# Altium PCB MCH_MAIN.PCBDOC (part 9 of 14)
Units mil, origin at the board's own origin, x right, y up, seen from the top; angles counter-clockwise.
Board outline 7110.66 x 2894.12 mil, 6 copper layers (Top Layer, Power, MidLayer1, MidLayer4, GND, Bottom Layer), stack 61.549 mil thick; 630 components, 1085 nets, 3940 pads, 2676 vias.
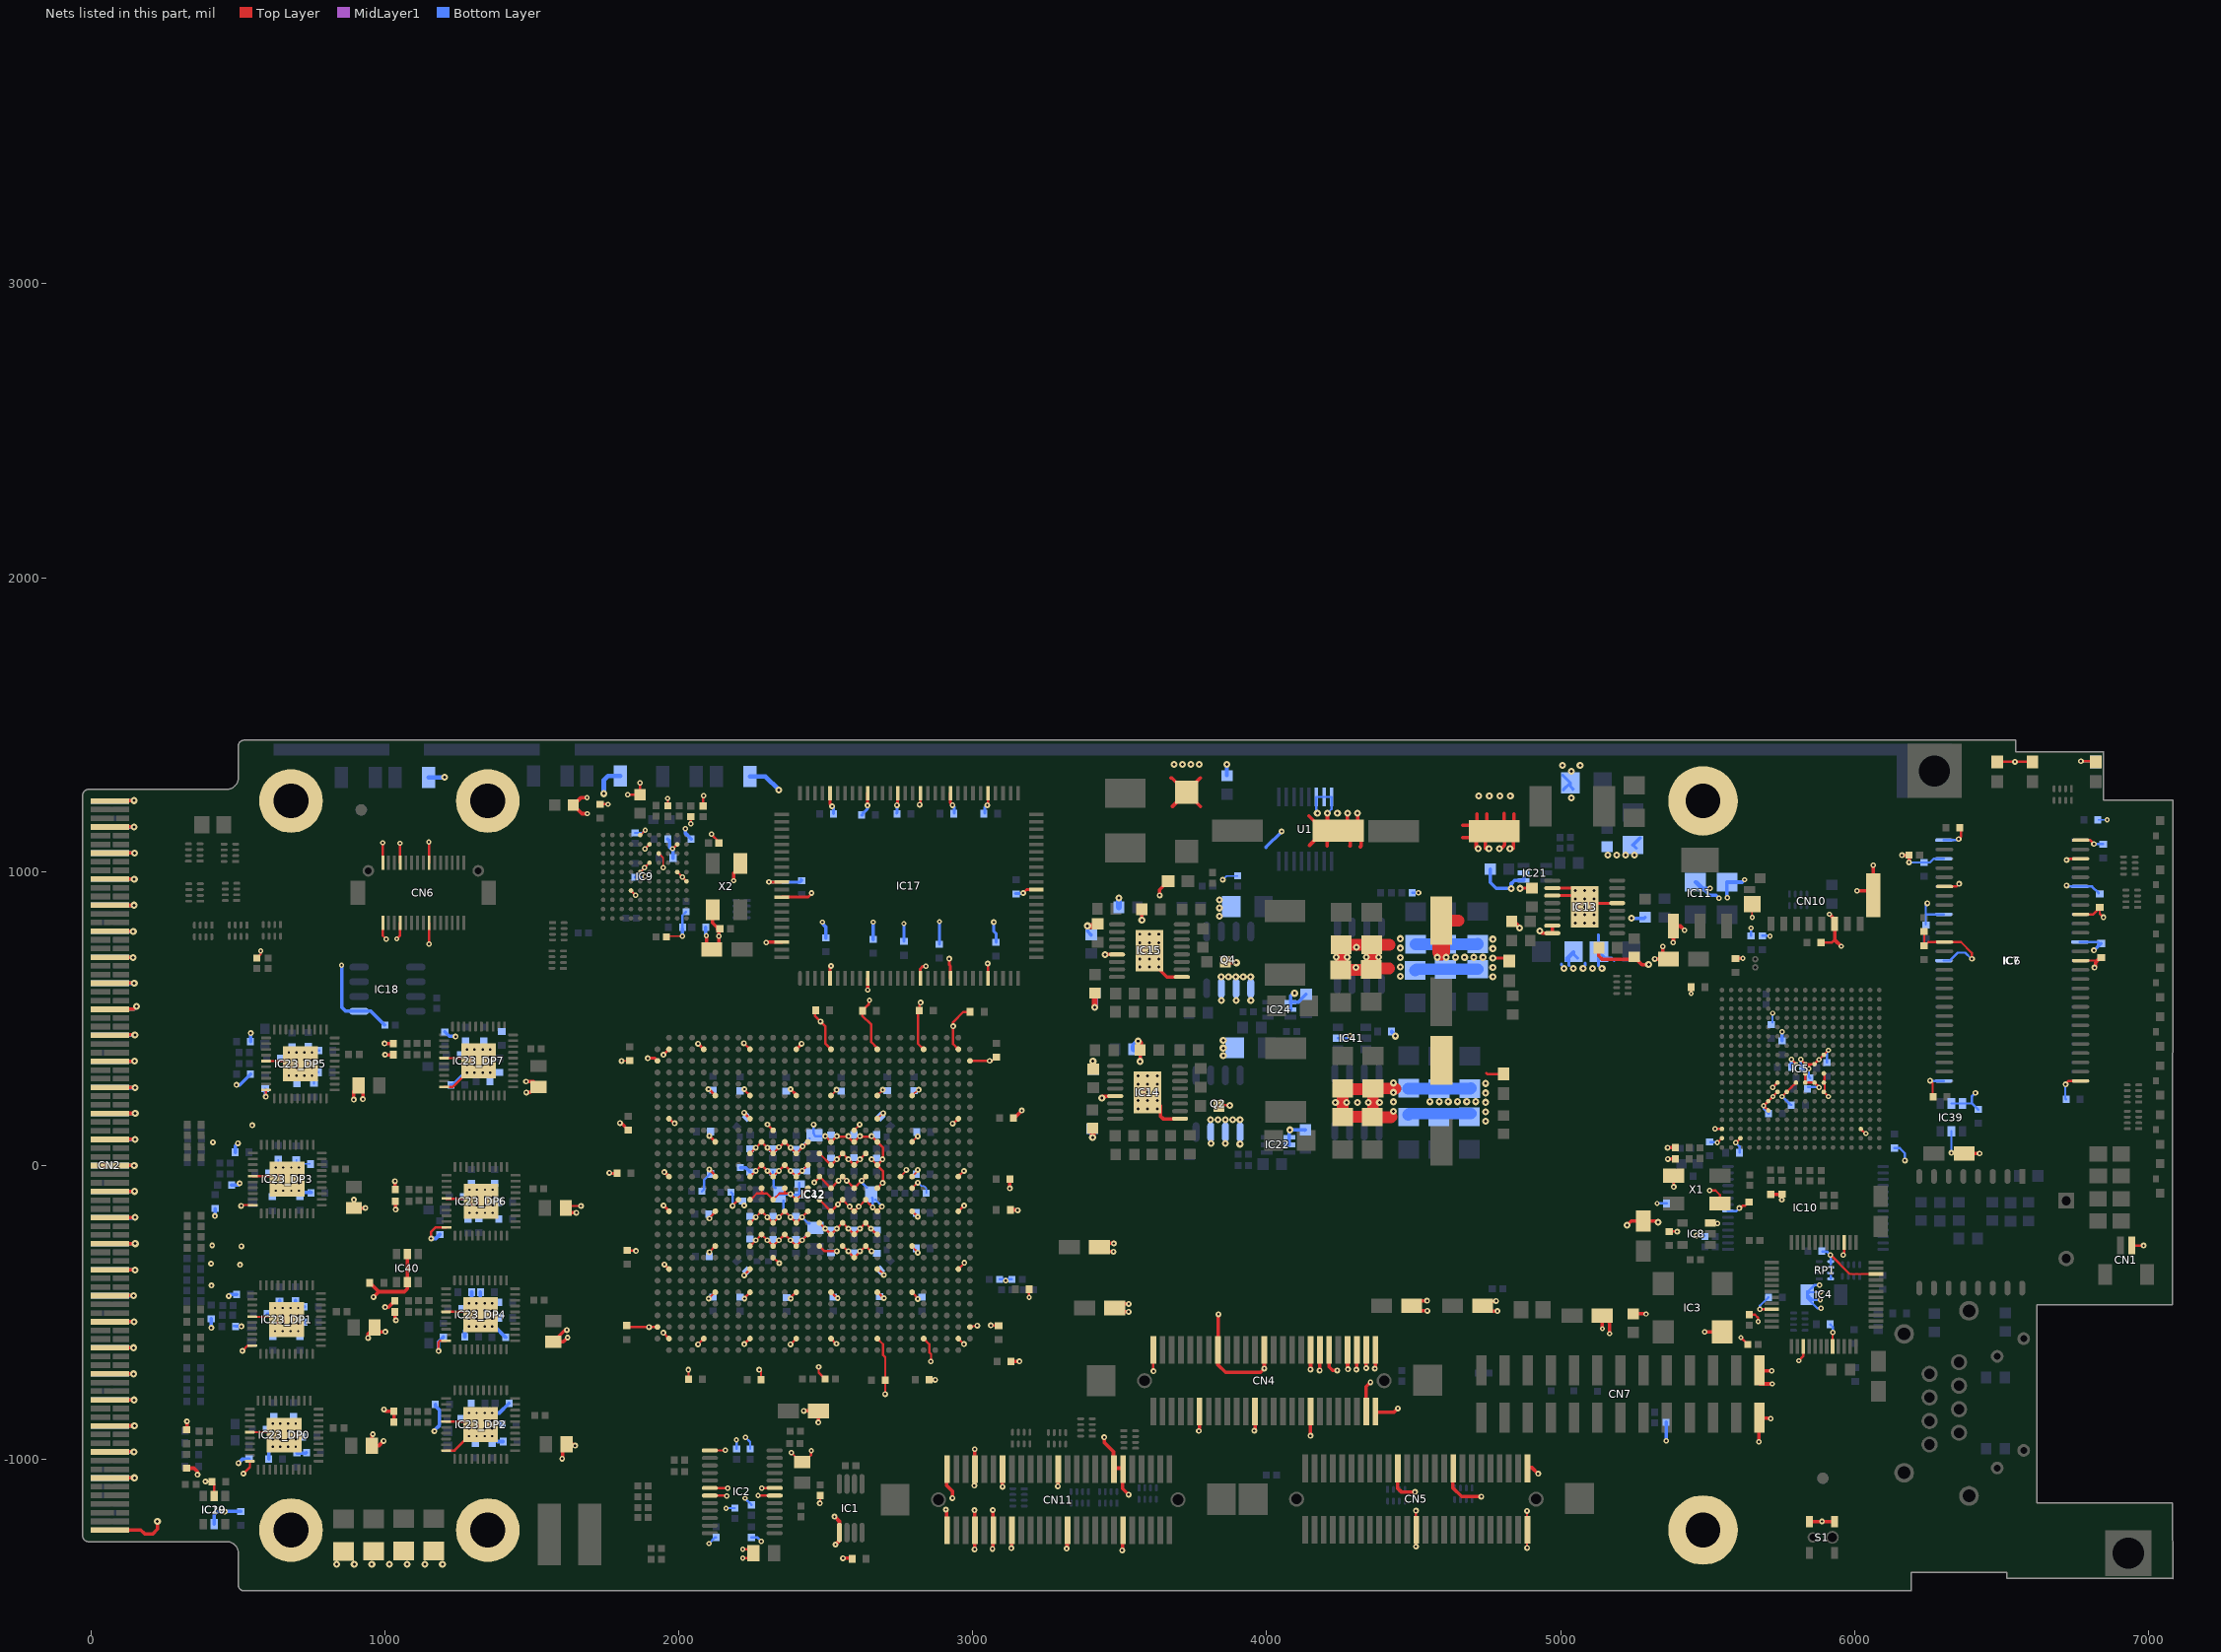
[diagram p13: the nets of this part, all layers, seen from the top]

## Via types
v1: diameter 20, hole 8, Top Layer to Bottom Layer, tented both sides, 1658 vias
v2: diameter 18, hole 8, Top Layer to Bottom Layer, tented both sides, 580 vias
v3: diameter 24, hole 10, Top Layer to Bottom Layer, tented both sides, 438 vias

## Nets (pads, with @x,y where several pads share a name; then routed paths per layer and width w, separated by ;. In a path a pad name is that pad's centre, name@x,y a point inside that pad or via, vN(x,y) a via of type N, cw(c..) or ccw(c..) an arc to the next point about the centre after c; other vN are vias at no path point) (continued)
GND: C1.2 C2.1 C3.2 C4.1 C5.1 C6.2 C7.1 C8.2 C9.1 C11.1 C13.1 C14.1 C15.1 C16.1 C17.1 C21.2 C23.1 C24.1 C26.1 C27.2 C30.1 C35.2 C38.2 C40.2 C41.2 C43.1 C44.1 C45.1 C46.1 C47.2 C48.2 C49.2 C50.1 C51.1 C52.1 C53.1 C54.1 C55.1 C56.1 C57.1 C58.1 C59.1 C60.1 C62.1 C66_DP0.1 C66_DP1.1 C66_DP2.1 C66_DP3.1 C66_DP4.1 C66_DP5.1 C66_DP6.1 C66_DP7.1 C67_DP0.1 C67_DP1.1 C67_DP2.1 C67_DP3.1 C67_DP4.1 C67_DP5.1 C67_DP6.1 C67_DP7.1 C68_DP0.1 C68_DP1.1 C68_DP2.1 C68_DP3.1 C68_DP4.1 C68_DP5.1 C68_DP6.1 C68_DP7.1 C70_DP0.1 C70_DP1.1 C70_DP2.1 C70_DP3.1 C70_DP4.1 C70_DP5.1 C70_DP6.1 C70_DP7.1 C71_DP0.1 C71_DP1.1 C71_DP2.1 C71_DP3.1 C71_DP4.1 C71_DP5.1 C71_DP6.1 C71_DP7.1 C74_DP0.1 C74_DP1.1 C74_DP2.1 C74_DP3.1 C74_DP4.1 C74_DP5.1 C74_DP6.1 C74_DP7.1 C75_DP0.1 C75_DP1.1 C75_DP2.1 C75_DP3.1 C75_DP4.1 C75_DP5.1 C75_DP6.1 C75_DP7.1 C76_DP0.1 C76_DP1.1 C76_DP2.1 C76_DP3.1 C76_DP4.1 C76_DP5.1 C76_DP6.1 C76_DP7.1 C77.1 C78.1 C79.2 C80.1 C81.2 C82.1 C83.2 C84.1 C85.1 C86.1 C87.2 C88.1 C89.1 C90.1 C91.2 C92.2 C93.1 C94.2 C95.2 C96.1 C97.1 C98.1 C99.1 C100.1 C101.1 C102.1 C103.1 C104.1 C105.1 C106.1 C107.1 C108.2 C109.2 C110.2 C111.2 C112.2 C113.2 C114.2 C115.1 C116.1 C117.2 C118.2 C119.2 C120.2 C121.2 C122.2 C123.2 C124.2 C125.2 C126.2 C127.2 C128.2 C129.2 C130.2 C131.2 C133.1 C134.2 C135.2 C136.1 C137.2 C138.2 C139.2 C141.2 C142.2 C143.2 C144.2 C145.2 C146.2 C147.2 C148.1 C149.1 C150.1 C151.1 C152.2 C153.2 C154.2 C155.2 C156.2 C157.2 C158.2 C159.1 C160.2 C161.2 C162.1 C163.2 C164.2 C165.2 C166.1 C167.1 C168.1 C169.1 C170.1 C171.1 C172.1 C173.1 C174.2 C175.2 C176.2 C177.2 C178.2 C179.2 C180.1 C181.1 C182.1 C183.1 C184.1 C185.1 C186.1 C187.1 C188.1 C189.1 C190.1 C191.1 C192.1 C194.1 C195.1 C196.2 C197.1 C198.2 C199.1 C200.2 C201.1 C202.1 C203.1 C204.1 C205.1 C206.1 C207.2 C208.2 C209.2 C210.2 C211.2 C212.1 C213.2 C214.2 C215.2 C216.1 C217.1 C218.2 C219.1 C220.1 C221.2 C222.2 C223.2 C224.2 C225.1 C226.1 C227.1 C228.1 C229.1 C230.1 C231.1 C232.1 C233.1 C234.1 C235.1 C236.1 C237.1 C238.1 C239.1 C240.1 C243.2 C244.2 C245.1 C246.1 C247.1 C248.1 C249.2 C250_DP0.1 C250_DP1.1 C250_DP2.1 C250_DP3.1 C250_DP4.1 C250_DP5.1 C250_DP6.1 C250_DP7.1 C251_DP0.1 C251_DP1.1 C251_DP2.1 C251_DP3.1 C251_DP4.1 C251_DP5.1 C251_DP6.1 C251_DP7.1 C252_DP0.1 C252_DP1.1 C252_DP2.1 C252_DP3.1 C252_DP4.1 C252_DP5.1 C252_DP6.1 C252_DP7.1 C253.1 C254.2 C255.1 C256.2 C257.1 C258.1 C259.1 C260.1 CN1.1 CN2.1 CN2.7 CN2.10 CN2.13 CN2.16 CN2.19 CN2.22 CN2.25 CN2.28 CN2.31 CN2.34 CN2.37 CN2.40 CN2.43 CN2.46 CN2.49 CN2.52 CN2.55 CN2.58 CN2.61 CN2.64 CN2.67 CN2.70 CN2.73 CN2.76 CN2.79 CN2.82 CN2.85 CN2.86 CN2.89 CN2.92 CN2.95 CN2.98 CN2.101 CN2.104 CN2.107 CN2.110 CN2.113 CN2.116 CN2.119 CN2.122 CN2.125 CN2.128 CN2.131 CN2.134 CN2.137 CN2.140 CN2.143 CN2.146 CN2.149 CN2.152 CN2.155 CN2.158 CN2.161 CN2.164 CN4.1 CN4.12 CN4.15 CN4.24 CN4.25 CN4.35 CN4.36 CN4.37 CN4.39 CN4.43 CN4.45 CN4.47 CN4.48 CN4.49 CN4.50 CN5.21 CN5.26 CN5.33 CN5.49 CN5.50 CN6.13 CN6.14 CN6.23 CN6.24 CN6.29 CN6.30 CN7.1 CN7.2 CN10.G1 CN10.G2 CN10.P6 CN11.1 CN11.2 CN11.7 CN11.8 CN11.12 CN11.13 CN11.16 CN11.25 CN11.28 CN11.37 CN11.39 CN11.40 D1.2 D2.2 D3.2 D4.2 D14.1 D15.2 D16.2 D17.A D18.1 D19.2 IC1.5 IC2.1 IC2.6 IC2.7 IC2.18 IC2.19 IC3.2 IC4.10 IC4.15 IC4.33 IC4.39 IC4.44 IC5.C16 IC5.G8 IC5.G10 IC5.G11 IC5.G12 IC5.H9 IC5.H11 IC5.J9 IC5.J10 IC5.J11 IC5.K9 IC5.K11 IC5.L12 IC5.M11 IC5.M12 IC5.N13 IC5.N14 IC5.T17 IC5.V16 IC5.V17 IC6.6 IC6.12 IC6.28 IC6.41 IC6.46 IC6.52 IC6.54 IC7.6 IC7.12 IC7.28 IC7.41 IC7.46 IC7.52 IC7.54 IC8.3 IC9.D4 IC9.E6 IC9.E10 IC9.F7 IC9.F9 IC9.G8 IC9.J6 IC9.J9 IC9.K5 IC10.7 IC11.1 IC12.AA2 IC12.AA9 IC12.AA20 IC12.AA27 IC12.AC6 IC12.AC9 IC12.AC13 IC12.AC16 IC12.AC20 IC12.AC23 IC12.AF1 IC12.AF28 IC12.AG2 IC12.AG5 IC12.AG9 IC12.AG13 IC12.AG16 IC12.AG20 IC12.AG24 IC12.AG27 IC12.B2 IC12.B5 IC12.B9 IC12.B13 IC12.B16 IC12.B20 IC12.B24 IC12.B27 IC12.C1 IC12.C28 IC12.F6 IC12.F9 IC12.F13 IC12.F16 IC12.F20 IC12.F23 IC12.H2 IC12.H9 IC12.H20 IC12.H27 IC12.J11 IC12.J18 IC12.K6 IC12.K10 IC12.K12 IC12.K14 IC12.K16 IC12.K18 IC12.K20 IC12.K23 IC12.L9 IC12.L11 IC12.L13 IC12.L15 IC12.L17 IC12.L19 IC12.M10 IC12.M12 IC12.M14 IC12.M16 IC12.M18 IC12.M20 IC12.N2 IC12.N6 IC12.N9 IC12.N11 IC12.N13 IC12.N15 IC12.N17 IC12.N19 IC12.N22 IC12.N23 IC12.N27 IC12.P10 IC12.P12 IC12.P14 IC12.P16 IC12.P18 IC12.P20 IC12.P23 IC12.R8 IC12.R9 IC12.R11 IC12.R13 IC12.R15 IC12.R17 IC12.R19 IC12.T2 IC12.T6 IC12.T10 IC12.T12 IC12.T14 IC12.T16 IC12.T18 IC12.T20 IC12.T23 IC12.T27 IC12.U9 IC12.U11 IC12.U13 IC12.U15 IC12.U17 IC12.U19 IC12.V10 IC12.V12 IC12.V14 IC12.V16 IC12.V18 IC12.V20 IC12.W6 IC12.W9 IC12.W11 IC12.W13 IC12.W15 IC12.W17 IC12.W19 IC12.W23 IC12.Y11 IC12.Y18 IC13.5 IC13.10 IC13.11 IC13.15 IC13.16 IC13.PAD IC14.5 IC14.9 IC14.PAD IC15.5 IC15.9 IC15.PAD IC17.5 IC17.10 IC17.17 IC17.21 IC17.26 IC17.40 IC17.55 IC17.60 IC17.64 IC17.67 IC17.71 IC17.76 IC17.90 IC17.92 IC17.98 IC18.5 IC19.2 IC20.2 IC21.1 IC21.2 IC22.1 IC22.2 IC23_DP0.35 IC23_DP0.40 IC23_DP0.PAD IC23_DP1.35 IC23_DP1.40 IC23_DP1.PAD IC23_DP2.35 IC23_DP2.40 IC23_DP2.PAD IC23_DP3.35 IC23_DP3.40 IC23_DP3.PAD IC23_DP4.35 IC23_DP4.40 IC23_DP4.PAD IC23_DP5.35 IC23_DP5.40 IC23_DP5.PAD IC23_DP6.35 IC23_DP6.40 IC23_DP6.PAD IC23_DP7.35 IC23_DP7.40 IC23_DP7.PAD IC24.1 IC24.2 IC39.2 IC39.3 IC39.5 IC40.2 IC40.5 IC41.2 IC42.2 IC42.3 pad.@681.11,1240.14 pad.@681.11,-1240.18 pad.@1350.4,1240.14 pad.@1350.4,-1240.18 pad.@5484.26,1240.14 pad.@5484.26,-1240.18 Q2.1 Q2.2 Q2.3 Q4.1 Q4.2 Q4.3 R22.1 R23.2 R24.1 R26.1 R31.1 R35.1 R36.1 R44.1 R47.1 R48.1 R59.1 R67.1 R78.2 R79.2 R80.1 R81.2 R83.1 R89.1 R90.1 R93.2 R102.1 R109.2 R110.1 R112.2 R114.2 R116.2 R117.1 R118.1 RP1.5 RP1.6 RP1.7 RP1.8 S1.A S1.C U1.6 U1.7 U1.8 X1.2 X1.4 X2.2 X2.4 | length 36832.5
  Top Layer w5: v1(1805.6,355.9) 1832.42,355.9 C198.2@1833.4,356.88 ; R93.2@1957.72,777.9 1960.72,780.9 v2(2013,780.9) ; IC12.F16@2518.1,237.95 v1@2536.72,256.57 ; IC12.J18@2596.84,119.84 v1@2615.46,138.46 ; v1@2691.25,174.88 IC12.H20@2675.58,159.21 v1@2694.2,177.83 ; v1@2691.25,253.62 IC12.F20@2675.58,237.95 v1@2694.2,256.57 ; IC12.N22@2754.32,-37.64 v1@2773.92,-18.03 ; v1@2773.65,-14.5 2774.91,-13.25 v1@2774.91,-9.18 ; IC12.N23@2793.69,-37.64 v1@2813.29,-18.03 ; IC12.F23@2793.69,237.95 2813.29,257.56 v1(2816.25,257.56) ; v1@2809.36,-61.34 IC12.P23@2793.69,-77.01 v1@2812.31,-58.39 ; v1@2809.36,96.14 IC12.K23@2793.69,80.47 v1@2812.31,99.09 ; v1@2813.02,-14.5 2814.28,-13.25 v1@2814.28,-9.18 ; CN10.G2@5651.45,889.98 5651.45,844.45 v2(5651.6,844.3)
  Top Layer w6: IC9.G8@1935.22,1058.12 1946.85,1046.5 1946.85,1014.05 v2(1947,1013.9)
  Top Layer w7: IC9.E10@1868.98,1124.36 1869.46,1124.36 v2(1886,1140.9)
  Top Layer w8: v1(390,-1075.1) 411.38,-1075.1 C195.1@412.38,-1076.1 420,-1083.72 IC19.2@420,-1124.86 ; v1@513.2,-141.5 520.29,-134.41 IC23_DP3.40@550.54,-134.41 ; v1(515.8,-630.5) 533.09,-613.21 IC23_DP1.40@548.86,-613.21 ; v1(519.2,-1048.1) 540.71,-1026.59 541.06,-1026.59 IC23_DP0.40@541.06,-1005.81 ; IC23_DP0.35@541.06,-907.39 IC23_DP0.PAD@609.72,-907.39 ; IC23_DP1.35@548.86,-514.78 IC23_DP1.PAD@617.52,-514.78 ; IC23_DP3.35@550.54,-35.99 IC23_DP3.PAD@619.2,-35.99 ; R83.1@565,705.62 578,718.62 v2(578,729.9) ; v1@596.14,236.21 IC23_DP5.40@596.14,256.99 ; IC23_DP5.35@596.14,355.41 IC23_DP5.PAD@664.8,355.41 ; CN6.30@993.2,825.54 993.2,782.1 v2(1004.9,770.4) ; CN6.29@993.2,1030.26 993.2,1097.7 v2(993.6,1098.1) ; v2(1040.7,771.2) 1052.26,782.76 CN6.24@1052.26,825.54 ; v2(1051.9,1096.5) 1052.26,1096.14 CN6.23@1052.26,1030.26 ; v2(1149.9,1100.1) 1150.69,1099.31 CN6.13@1150.69,1030.26 ; v2(1150.1,753.6) 1150.69,754.19 CN6.14@1150.69,825.54 ; v1(1158,-248.3) 1158,-224.9 1171.69,-211.21 IC23_DP6.40@1209.86,-211.21 ; v1(1182.8,-630.9) 1182.8,-601.3 1187.83,-596.27 IC23_DP4.40@1208.06,-596.27 ; IC23_DP7.40@1201.74,266.73 1230.11,266.73 IC23_DP7.PAD@1319.14,355.76 ; IC23_DP7.35@1201.74,365.15 IC23_DP7.PAD@1270.4,365.15 ; IC23_DP4.35@1208.06,-497.85 IC23_DP4.PAD@1276.72,-497.85 ; IC23_DP2.40@1209.02,-969.82 1237.56,-969.82 IC23_DP2.PAD@1326.14,-881.24 ; IC23_DP2.35@1209.14,-871.65 IC23_DP2.PAD@1277.8,-871.65 ; IC23_DP6.35@1209.86,-112.78 IC23_DP6.PAD@1278.52,-112.78 ; C71_DP6.1@1615.83,-144.5 1622.83,-137.5 v1(1667.4,-137.5) ; C226.1@1732,1229.52 1758.38,1229.52 v2(1759,1228.9) ; C196.2@1823.13,-544.36 1828.22,-549.45 v1(1899.05,-549.45) IC12.AF1@1927.54,-549.45 ; C161.2@1824.4,-288.88 v1@1854.38,-288.88 ; v2(1827,1260.9) 1827.5,1261.4 C228.1@1868,1261.4 v2(1868,1301.9) ; IC9.D4@1837.49,935.39 v2(1853,919.9) ; IC9.E6@1868.98,998.38 1884,1013.4 v2(1884,1013.9) 1899.98,1029.88 IC9.F7@1900.48,1029.88 ; v2(1885,1076.9) 1885,1077.39 IC9.F9@1900.48,1092.87 ; IC9.G8@1931.98,1061.37 IC9.G8@1935.22,1058.12 ; v1(1947.2,-569.11) IC12.AG2@1966.91,-588.82 ; v1@1947.21,-332.9 IC12.AA2@1966.91,-352.6 ; v2(1962,1248.9) 1963,1247.9 C258.1@1963,1223.62 ; IC12.H2@1965.91,159.21 IC12.H2@1966.91,159.21 1968.09,159.21 v1@1986.8,140.5 ; v2@1980,1077.9 IC9.J9@1994.97,1092.87 ; IC9.J6@1994.97,998.38 1995.52,998.38 v2(2012,981.9) 2012,981.35 IC9.K5@2026.46,966.88 ; v1(2032.6,-695.1) 2033.38,-695.88 C165.2@2033.38,-726.1 ; v2(2041,1162.9) C257.1@2041,1187.18 ; v1(2065.6,-608.25) IC12.AG5@2085.02,-588.82 ; 2083,1245.9 C133.1@2083,1222.62 2083,1256.9 v2(2084,1257.9) ; v1@2100.69,-455.04 2100.69,-453.07 2101.19,-452.58 IC12.AC6@2118.49,-435.28 ; v1@2104.63,-177.48 2124.39,-157.72 IC12.T6@2124.39,-155.75 ; IC2.7@2105.76,-1122.9 2162.8,-1122.9 v2(2164,-1124.1) ; IC2.6@2105.76,-1097.3 2134,-1097.3 v2@2172.2,-1097.3 ; IC2.1@2105.76,-969.35 2158.75,-969.35 v2(2159,-969.1) ; v1@2106.6,-295.59 2106.6,-294.61 2106.6,-291.66 IC12.W6@2124.39,-273.86 ; v2(2111,1126.9) 2136.72,1101.18 C259.1@2136.72,1096.9 ; v1@2181.4,-138.11 IC12.R8@2201.17,-118.35 ; v2(2218,-1335.1) 2237.57,-1335.1 C244.2@2253.57,-1319.1 2240.57,-1306.1 v2(2218,-1306.1) ; v1(2222,415.94) IC12.B9@2242.51,395.43 ; v1@2222.74,-372.36 IC12.AA9@2242.51,-352.6 ; v1(2222.8,-607.5) 2241.48,-588.82 IC12.AG9@2242.51,-588.82 ; v1(2223.15,259.56) 2223.15,257.31 IC12.F9@2242.51,237.95 ; v1@2224.71,-451.11 2224.71,-449.14 IC12.AC9@2242.51,-431.34 ; IC12.W9@2242.51,-273.86 v1(2262.11,-254.25) IC12.V10@2281.88,-234.49 2301.56,-254.18 IC12.W11@2321.25,-273.86 v1(2340.85,-254.25) IC12.V12@2360.62,-234.49 2380.3,-254.18 IC12.W13@2399.99,-273.86 v1(2419.59,-254.25) IC12.V14@2439.36,-234.49 ; IC12.U9@2242.51,-195.12 v1(2262.11,-175.51) IC12.T10@2281.88,-155.75 2301.56,-175.44 IC12.U11@2321.25,-195.12 v1(2340.85,-175.51) IC12.T12@2360.62,-155.75 2380.3,-175.44 IC12.U13@2399.99,-195.12 v1(2419.59,-175.51) IC12.T14@2439.36,-155.75 ; IC12.R9@2242.51,-116.38 2244.19,-116.38 2265.72,-94.85 2283.76,-94.85 2283.72,-94.81 ; IC12.N9@2242.51,-37.64 v1(2262.11,-18.03) IC12.M10@2281.88,1.73 2301.76,-18.16 IC12.N11@2321.25,-37.64 v1(2340.85,-18.03) IC12.M12@2360.62,1.73 2380.5,-18.16 IC12.N13@2399.99,-37.64 2419.8,-17.83 IC12.M14@2439.36,1.73 ; IC12.L9@2242.51,41.1 v1(2262.11,60.71) IC12.K10@2281.88,80.47 2301.76,60.58 IC12.L11@2321.25,41.1 2341.84,61.69 IC12.K12@2360.62,80.47 2380.5,60.58 IC12.L13@2399.99,41.1 2422.54,63.66 IC12.K14@2439.36,80.47 ; v2(2270,-1123.1) 2270.2,-1122.9 IC2.18@2326.24,-1122.9 ; v1(2274,-694.7) 2280.02,-700.72 C87.2@2280.02,-728.5 ; 2275.89,-94.81 2283.72,-94.81 ; IC12.P10@2281.88,-77.01 2281.88,-92.96 2283.72,-94.81 ; v2(2282,-1098.1) 2282.8,-1097.3 IC2.19@2326.24,-1097.3 ; v1@2301.8,139.5 2321.25,120.05 IC12.J11@2321.25,119.84 ; IC12.Y11@2321.25,-313.23 2322.93,-313.23 v1(2341.8,-332.1) ; IC12.P12@2360.62,-77.01 2360.62,-94.77 ; v1(2380.2,-608.61) IC12.AG13@2399.99,-588.82 ; v1@2380.22,-451.11 2380.22,-449.14 IC12.AC13@2398.02,-431.34 ; v1(2380.19,-96.81) 2380.41,-96.81 IC12.R13@2399.99,-116.38 2421.51,-94.85 IC12.P14@2439.36,-77.01 ; v1@2380.19,-94.85 2360.54,-94.85 2360.62,-94.77 ; v2(2383,-977.1) 2414.57,-1008.67 C243.2@2420,-1008.67 2426.43,-1008.67 2450,-985.1 2450,-971.1 v2(2451,-970.1) ; v1@2460.93,-57.4 2478.73,-39.61 IC12.N15@2478.73,-37.64 IC12.P16@2518.1,-77.01 v1(2543.61,-51.5) IC12.N17@2557.47,-37.64 2571.25,-51.42 IC12.P18@2596.84,-77.01 v1(2622.35,-51.5) IC12.N19@2636.21,-37.64 ; C112.2@2464.14,523.98 2464.14,508.29 v1(2482.58,489.84) 2498.33,474.09 2498.33,415.19 IC12.B16@2518.1,395.43 ; v1(2476,-685.1) 2476,-704.82 R110.1@2497.28,-726.1 ; IC12.W15@2478.73,-273.86 2496.57,-291.7 2529.65,-291.7 v1@2533.7,-287.65 ; IC12.U15@2478.73,-195.12 2498.41,-214.81 IC12.V16@2518.1,-234.49 v1(2537.7,-214.88) IC12.U17@2557.47,-195.12 2577.15,-214.81 IC12.V18@2596.84,-234.49 v1(2616.44,-214.88) IC12.U19@2636.21,-195.12 2636.21,-197.25 v1(2653.84,-214.88) IC12.V20@2673.53,-234.57 ; IC12.R15@2478.73,-116.38 IC12.T16@2518.1,-155.75 v1(2541.64,-132.21) IC12.R17@2557.47,-116.38 2581.09,-140 IC12.T18@2596.84,-155.75 v1(2612.51,-140.08) IC12.R19@2636.21,-116.38 2636.21,-118.51 2653.84,-136.14 v1(2659.75,-142.05) IC12.T20@2673.53,-155.83 ; IC12.L15@2478.73,41.1 IC12.M16@2518.1,1.73 v1(2537.7,21.34) IC12.L17@2557.47,41.1 2577.15,21.41 IC12.M18@2596.84,1.73 v1(2616.44,21.34) IC12.L19@2636.21,41.1 ; v1(2480,-1149.1) 2481,-1148.1 R109.2@2481,-1122.82 ; v1(2498.33,100.08) 2498.49,100.08 IC12.K16@2518.1,80.47 2535.94,98.31 2537.7,98.31 2575.31,98.31 2593.15,80.47 IC12.K18@2596.84,80.47 v1@2614.68,98.31 ; IC12.AG16@2518.1,-588.82 v1@2537.57,-608.3 ; IC12.AC16@2518.1,-431.34 2537.86,-451.11 v1(2540.65,-451.04) v1@2541.64,-451.11 ; IC12.W17@2557.47,-273.86 2576.17,-292.56 IC12.Y18@2596.84,-313.23 2617.43,-292.64 IC12.W19@2636.21,-273.86 2654,-291.66 v1(2655.81,-291.66) ; C120.2@2624.13,522.98 2624.13,509.71 2655.05,478.79 2655.05,419.74 2675.58,399.21 IC12.B20@2675.58,395.43 ; C120.2@2624.78,526.5 2646,547.72 2646,558.9 v2(2649,561.9) ; v1(2655.81,21.34) IC12.M20@2671.56,5.59 ; IC12.T20@2675.5,-153.86 IC12.T20@2675.58,-153.86 ; IC12.AG20@2675.58,-588.82 2695,-608.25 2695,-644.44 2702.62,-652.07 C81.2@2702.62,-729.3 ; IC12.AC20@2675.58,-431.34 2677.39,-431.34 v1@2697.15,-451.11 ; IC12.AA20@2675.58,-352.6 2679.36,-352.6 2698.6,-371.84 v1@2699.12,-372.36 ; IC12.T20@2675.58,-155.75 IC12.T20@2675.58,-153.86 ; IC12.T20@2675.58,-151.81 IC12.T20@2675.58,-153.86 ; IC12.P20@2675.58,-77.01 2693.42,-59.17 2693.42,-59.1 v1@2693.42,-51.7 ; v1@2693.42,21.34 2693.42,19.57 IC12.M20@2675.58,1.73 2675.58,0.04 2695.4,-19.78 v1@2695.4,-51.7 ; v1@2693.42,26 2694.42,27 2694.42,61.63 2687.37,68.67 ; 2693.42,62.63 2687.37,68.67 ; v1@2695.18,-136.14 v1(2691.25,-140.08) 2677.47,-153.86 IC12.T20@2675.58,-153.86 ; v1@2702.62,-775.28 C81.2@2702.62,-730.1 ; IC12.AC23@2793.69,-431.34 2813.29,-450.95 v1@2813.29,-451.11 ; IC12.W23@2793.69,-273.86 2793.69,-275.99 v1@2813.29,-295.59 ; IC12.T23@2793.69,-155.75 2809.51,-171.58 v1@2811.32,-171.58 ; v1@2816.5,1227.5 2821.78,1232.78 IC17.64@2821.78,1266.63 ; v1(2822.6,554.4) 2827.4,554.4 2827.4,555 2818.78,546.38 C123.2@2818.78,527.5 2814.1,522.82 2814.1,414.39 IC12.B24@2833.06,395.43 ; IC12.AG24@2833.06,-588.82 2852.13,-607.9 2852.13,-635.43 2858.4,-641.7 2858.4,-664.7 v1@2856.6,-666.5 ; v1@2931.2,140.1 IC12.H27@2950.31,159.21 ; IC12.AG27@2951.17,-588.82 2970,-607.65 v1(2970,-607.9) ; IC12.AA27@2951.17,-352.6 2971.37,-332.39 v1@2971.5,-332.27 ; IC12.T27@2951.17,-155.75 2970.71,-136.21 v1(2970.86,-136.21) ; IC12.N27@2951.17,-37.64 v1(2970.07,-18.74) ; IC12.B27@2951.17,395.43 2933.32,413.27 2933.32,474.04 v1(2933.37,474.09) 2933.37,487.87 2967.71,522.21 C126.2@2989.63,522.21 ; IC12.AF28@2990.54,-549.45 2993.19,-546.8 3011.7,-546.8 v1@3014.6,-549.7 ; IC12.C28@2990.54,356.06 3057.47,356.06 3065.73,356.06 C118.2@3075.25,365.59 ; v1@3058.6,-544.9 3059.02,-544.48 C117.2@3088,-544.48 ; C119.2@3191.62,-421.1 3191.62,-448.72 v2(3192,-449.1) ; CN4.1@3614.05,-627.77 3614.05,-699.15 v1(3615,-700.1) ; C256.2@3838.5,203.9 3839.5,204.9 v3(3875,204.9) ; v1(4507.6,-1174.5) 4507.74,-1174.64 4507.74,-1236.43 4507.74,-1296.24 v1(4507.8,-1296.3) ; 4747.8,313.8 4750.24,311.36 D15.2@4806,311.36 ; v3(4769.17,770.14) v3@4771.4,772.36 ; v1(4885.4,-1175.1) 4885.69,-1175.39 4885.69,-1236.43 v1@4885.69,-1300.01 ; C173.1@5369,-224.48 5390.71,-224.48 5391.28,-225.04 v1@5391.28,-226.03 ; v1(5384.8,-72.9) 5384.41,-72.51 X1.2@5384.41,-34.61 X1.2@5387.97,-31.05 ; C58.1@5388.09,27.24 C58.1@5388.09,27.57 ; v2(5507,-85.1) 5527,-85.1 5541.89,-99.99 X1.4@5541.89,-129.1 ; IC8.3@5509.24,-195.54 5531.44,-195.54 v2(5533,-197.1) ; v2(5525.02,124.69) IC5.V16@5548.47,124.69 ; v2@5532.86,77.15 IC5.V17@5548.61,92.9 ; IC5.V16@5544.74,124.73 IC5.V16@5548.5,124.73 ; v2(5595.86,77.15) IC5.T17@5611.61,92.9 ; v1@5609.78,-146.3 5619.76,-136.32 5628,-136.32 ; v2(5613.1,-585.2) 5613.38,-585.2 R47.1@5636.28,-608.1 ; R48.1@5641,-507.38 5661.28,-507.38 5672,-518.1 v2(5672,-531.1) ; v2(5678,-489.1) IC4.33@5718,-489.1 ; IC5.N14@5706.09,187.39 v2(5690.35,203.14) 5721.84,234.61 IC5.M12@5737.59,250.38 ; v2(5721.84,266.13) IC5.M11@5737.59,281.88 ; v2(5753.34,234.63) IC5.L12@5769.09,250.38 5784.83,266.1 IC5.K11@5800.58,281.88 ; v2(5784.83,360.62) IC5.K9@5800.58,344.87 ; v2(5810,-664.1) 5825,-649.1 IC4.39@5825,-616.1 ; v2(5817.31,360.62) 5817.33,359.61 IC5.J9@5832.08,344.87 5845.41,344.87 ; IC5.J11@5832.08,281.88 IC5.J10@5832.08,313.37 5832.08,315.18 5845.2,328.3 v2@5845,328.3 ; IC5.J11@5832.1,281.87 5863.59,281.87 v2(5879.32,266.13) ; v2@5845.2,330.1 5845.41,330.31 5845.41,344.87 ; IC5.H9@5863.57,344.87 5845.41,344.87 ; IC5.H9@5863.57,344.87 IC5.G8@5895.07,376.37 ; C188.1@5885.62,757.9 5921.92,757.9 5931.96,767.94 ; IC5.G11@5895.07,281.88 5895.07,277.66 5898.36,274.36 5898.36,253.67 IC5.G12@5895.07,250.38 v2(5910.84,234.63) ; IC5.G10@5895.07,313.37 5897.32,311.12 5897.32,290.17 IC5.G11@5895.09,287.94 ; IC5.G8@5895.07,376.37 5909.85,391.15 v2@5909.85,392.11 ; v2(5918,-304.1) 5983,-369.1 6036,-369.1 6040,-369.1 IC4.10@6072,-369.1 ; IC4.44@5925,-616.1 5925,-569.1 v2(5926,-568.1) ; v2(5961,-304.1) 5962,-304.1 5965,-301.1 IC4.15@5965,-262.1 ; IC5.C16@6021.05,124.4 v2@6036.8,108.65 ; C134.2@6236.9,794.63 6236.9,745.81 6251.26,760.16 IC6.12@6305.85,760.16 6361.68,760.16 6399.03,722.82 v1(6399.03,703.13) ; v1(6256.6,288.9) 6265.38,280.12 6265.38,259.9 ; 6265.38,251.9 6265.38,259.9 ; C166.1@6266.38,233.9 6265.38,234.9 6265.38,259.9 ; IC6.6@6305.85,949.14 6346.54,949.14 v1(6355.5,958.1) ; v1(6353.75,1110.61) 6362.49,1119.35 C136.1@6362.49,1155.22 ; D4.2@6485.21,1373.29 6604.92,1373.29 D3.2@6605,1373.36 ; v1@6717.92,277.82 6727.82,287.72 IC6.28@6768.84,287.72 ; v1(6720.8,952.9) v1@6720.8,953.1 ; v1(6721.2,1039.3) 6725.53,1043.63 IC6.52@6768.84,1043.63 ; IC6.41@6768.84,697.17 6822.4,697.17 C159.1@6833.85,708.62 ; IC6.46@6768.84,854.65 6811.88,854.65 C162.1@6833.85,876.62 ; IC6.54@6768.84,1106.62 6801.68,1106.62 v1(6814.4,1093.9) ; v1(6769.9,1375.5) 6817.99,1375.5 D2.2@6820.21,1373.29 ; C162.1@6833.73,877.96 6833.73,876.49 6833.73,856.97 v1(6846.4,844.3) ; CN1.1@6943,-272.1 v1(6983,-272.1) ; 2283.72,-94.81 2299.67,-94.81 IC12.R11@2321.25,-116.38 2342.85,-94.77 2360.62,-94.77 ; v1@2614.68,98.31 v1@2616.44,98.31 ; v1@2614.68,98.31 v1@2616.44,98.31 ; v1@2616.44,98.31 2655.81,98.31 2657.73,98.31 IC12.K20@2675.58,80.47 2687.37,68.67
  Top Layer w10: C71_DP5.1@894.47,250.56 911.06,267.15 C71_DP5.1@925.87,252.33 ; v1(1764,-24.7) 1764,-26.7 1764.2,-26.5 C83.2@1789.78,-26.5 ; v1(1800,144.7) 1804.58,144.7 C157.2@1828.4,120.88 ; v1(1894.6,364.9) 1918.7,364.9 IC12.C1@1927.54,356.06 ; v1@1947.23,-23.55 1947.23,-21.5 1949,-19.73 IC12.N2@1966.91,-37.64 ; v1(1947.93,376.63) 1966.73,395.43 IC12.B2@1966.91,395.43 ; v1(1948.4,-135.9) 1966.91,-154.41 IC12.T2@1966.91,-155.75 ; v1(2065.76,414.7) IC12.B5@2085.02,395.43 ; v1(2101.1,259.56) 2102.79,259.56 IC12.F6@2124.39,237.95 ; v1(2104.05,-13.08) 2124.39,-33.42 IC12.N6@2124.39,-37.64 ; v1(2104.05,101.09) 2124.39,80.75 IC12.K6@2124.39,80.47 ; v1(2222.16,179.83) 2222.16,179.55 IC12.H9@2242.51,159.21 ; v1(2306.7,964.7) 2350.09,964.7 IC17.90@2350.32,964.46 ; IC17.92@2350.32,913.28 2441.08,913.28 2451.8,924 v1(2451.8,927) ; v1(2380.63,259.56) 2399.99,240.2 IC12.F13@2399.99,237.95 ; IC12.B13@2399.99,395.43 v1@2416.2,411.64 ; C112.2@2462.9,525.22 C112.2@2464.14,523.98 ; IC17.5@2514.69,636.71 2514.69,675.49 v1(2518.02,678.82) ; IC17.76@2514.69,1266.63 2514.69,1229.38 v1(2521.95,1222.12) ; v1@2641.8,1226.3 2642.65,1227.15 IC17.71@2642.65,1266.63 ; v1(2742.43,1226.06) 2745.01,1228.64 IC17.67@2745.01,1266.63 ; IC17.17@2821.78,636.71 2821.78,668.68 2831,677.9 v2@2839,677.9 ; v1(2919.8,703.7) 2919.8,683.78 2924.14,679.43 IC17.21@2924.14,636.71 ; IC17.60@2924.14,1266.63 2924.14,1233.32 v1(2931.4,1226.06) ; v1(3049.51,1226.06) 3052.1,1228.64 IC17.55@3052.1,1266.63 ; v1(3050.6,687.1) 3052.1,685.6 IC17.26@3052.1,636.71 ; v1@3167.62,926.85 v1(3171.56,926.85) 3183.58,938.87 IC17.40@3216.47,938.87 ; v3(4769.17,706.16) 4814.2,706.16 D19.2@4825,695.36 ; C13.1@4839.5,830.9 4843,830.9 4860,813.9 v3(4860,807.9) ; v3@4867.4,943.1 4867.92,943.62 C17.1@4902.11,943.62 ; IC13.16@4971.13,790.03 IC13.16@4971.13,790.33 ; IC13.11@4971.13,917.98 5042.98,917.98 5051.84,909.12 IC13.PAD@5054.8,906.16 ; IC13.10@4971.13,943.57 4971.26,943.7 5041.6,943.7 5046.2,939.1 5049.87,939.1 5054.8,939.1 5054.8,932.74 IC13.PAD@5054.8,907.15 ; IC13.PAD@5081.37,879.59 5094.17,892.39 5112.87,892.39 IC13.5@5191.61,892.39 ; v2(5444,584.9) 5444,582.9 C102.1@5443.99,606.91 ; IC13.PAD@5054.8,906.16 IC13.PAD@5054.8,907.15 ; IC13.PAD@5054.8,906.16 IC13.PAD@5054.8,907.15